# KiCad board SimulTypeUltraFullMag.kicad_pcb (continued)
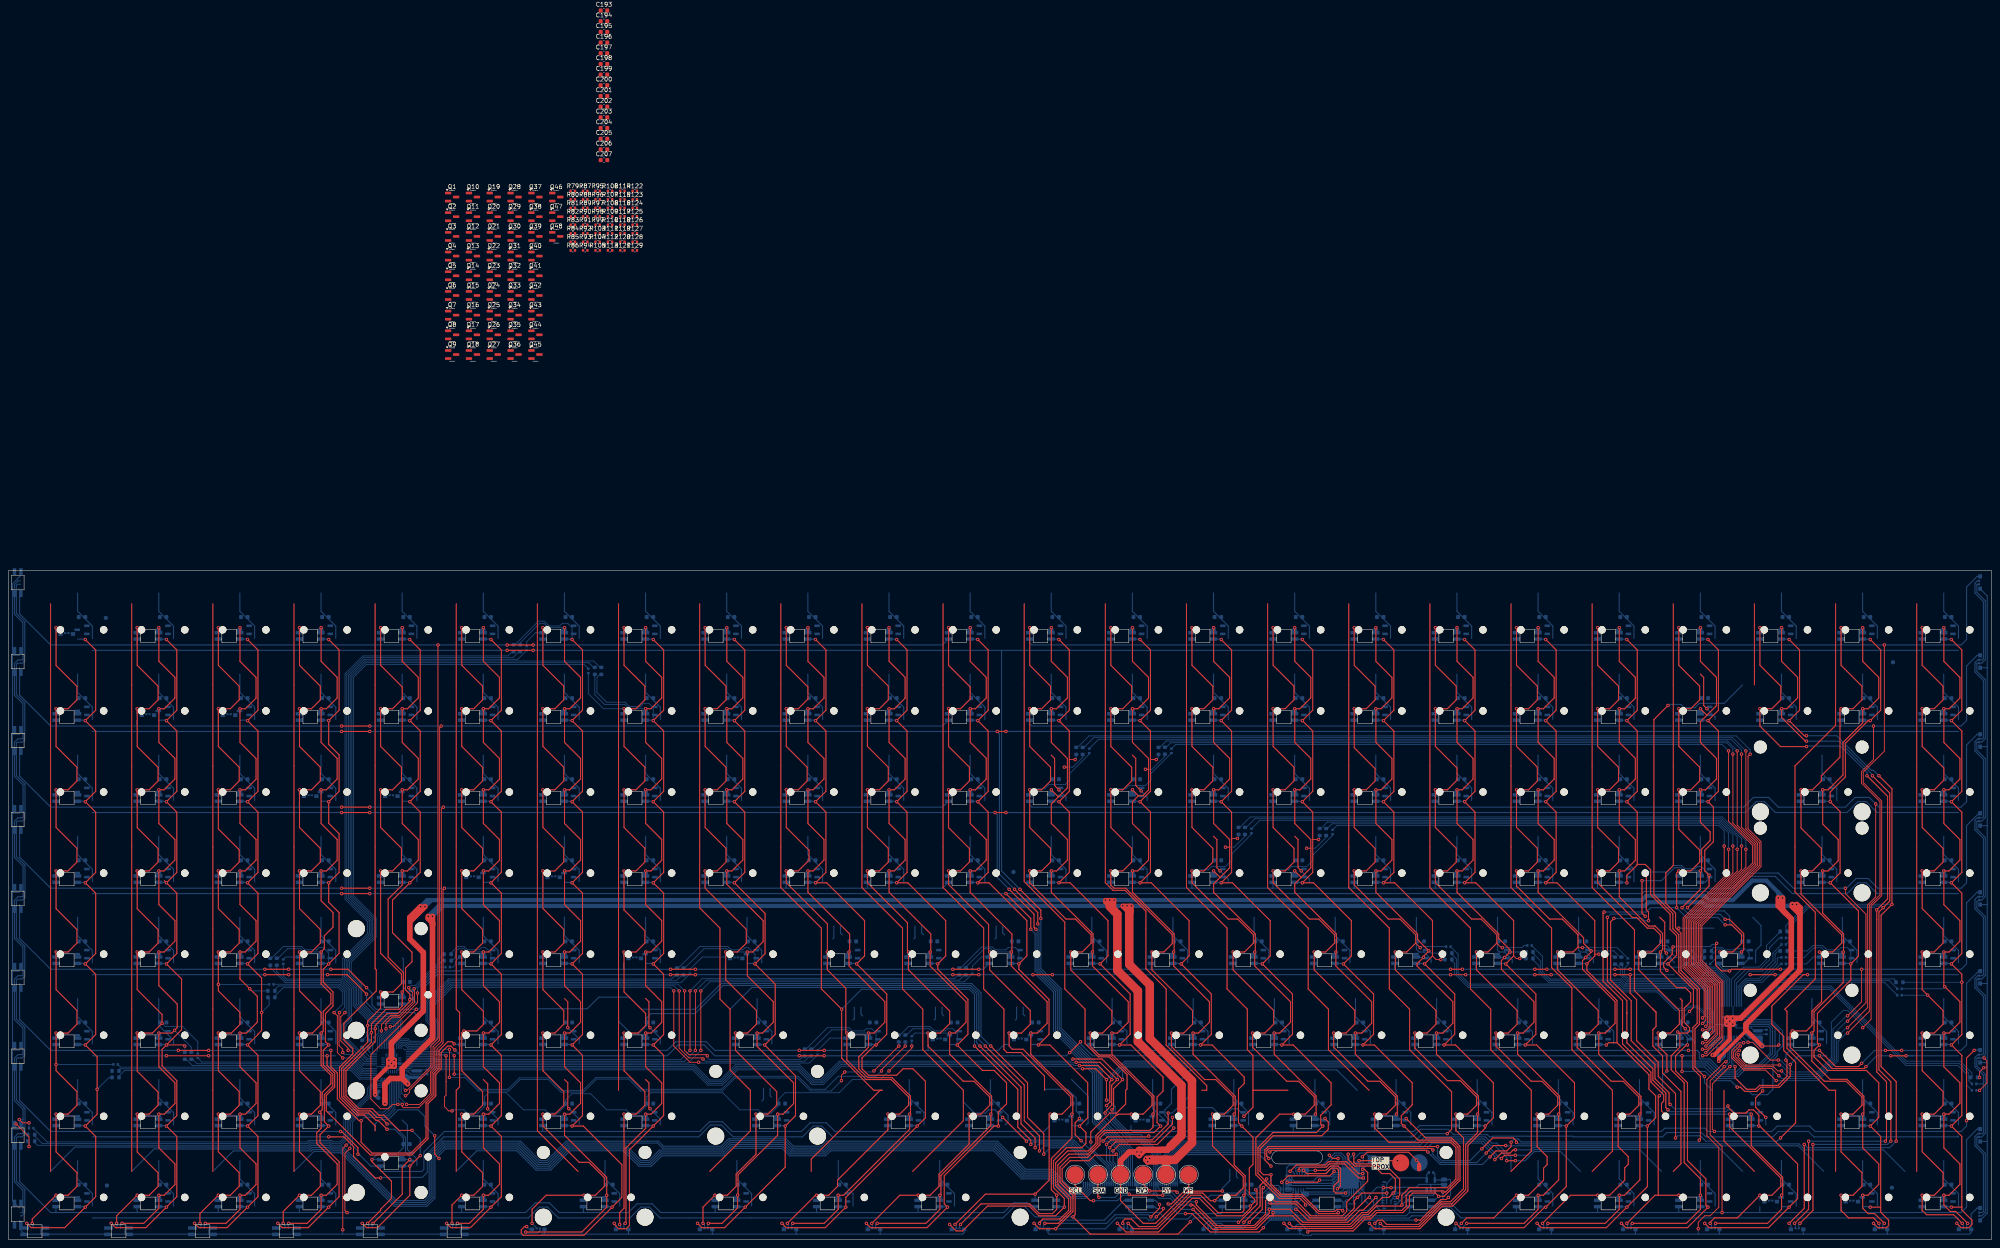
[diagram p0: board, top side]
## Routing (per net, layer and track width the routed paths; a pad name or vN(x,y) marks a point on that pad's centre or on a via; arc(x,y) is an arc through that point) (continued)
/B20c: length 226.3
  Top w0.2: 368.48,68.69 368.61,68.56 v1(369.56,68.56)
  Top w0.25: v1(360.16,3.79) 366.76,10.39 v1(373.11,10.39) 375.93,10.39 379.46,13.93 379.46,16.83 380.3,17.66 380.3,19.46 377.94,21.82 v1(377.94,29.44) 380.69,29.44 382.77,31.53 382.77,33.5 379.09,37.18 376.3,37.18 368.29,45.19 v1(368.29,48.49) 371.16,48.49 373.25,50.58 373.25,53.8 363.72,63.33 v1(363.72,67.54) 367.34,67.54 368.48,68.69 368.48,71.6 364.8,75.28 361.83,75.28 354.06,83.04 v1(354.06,86.59) 356.88,86.59 358.96,88.68 358.96,91.9 354.06,96.8 v1(354.06,105.64) 356.88,105.64 358.96,107.73 358.96,110.95 354.06,115.85 v1(354.06,124.69) 356.88,124.69 358.96,126.78 358.96,130 354.06,134.9 v1(354.06,143.75)
  Bottom w0.2: v1(369.56,68.56) 377.69,68.56 380.23,66.02
  Bottom w0.25: v1(354.06,105.64) 354.03,105.62 354.03,104.46 ; v1(368.29,48.49) 368.32,48.46 368.32,47.31 ; 377.85,28.26 377.85,29.35 v1(377.94,29.44) ; 354.03,85.41 354.03,86.57 v1(354.06,86.59) ; 354.03,142.56 354.03,143.72 v1(354.06,143.75) ; v1(363.72,67.54) 363.56,67.39 363.56,66.36 ; 373.08,9.21 373.08,10.37 v1(373.11,10.39) ; v1(354.06,124.69) 354.03,124.67 354.03,123.51 ; v1(360.16,3.79) 360.44,3.51 360.44,2.6
/B21c: length 208.5
  Top w0.25: v1(389.37,39.6) 389.37,43.41 387.34,45.45 v1(387.34,48.49) 390.21,48.49 392.3,50.58 392.3,53.8 382.77,63.33 v1(382.77,67.54) 385.81,67.54 387.85,69.58 387.85,71.57 386.29,73.13 384.8,73.13 382.26,75.67 381.25,75.67 373.11,83.81 v1(373.11,86.59) 375.93,86.59 378.01,88.68 378.01,91.9 373.11,96.8 v1(373.11,105.64) 375.93,105.64 378.01,107.73 378.01,110.95 373.11,115.85 v1(373.11,124.69) 375.93,124.69 378.01,126.78 378.01,130 373.11,134.9 v1(373.11,143.75) ; v1(379.97,3.79) 386.58,10.39 387.34,10.39 ; v1(392.16,10.39) 387.34,10.39 ; 387.34,10.39 387.34,33.51 v1(387.59,33.76)
  Bottom w0.2: v1(382.77,67.54) 383.02,67.8 386.58,67.8 387.85,69.07 389.37,69.07 390.64,67.8 394.19,67.8
  Bottom w0.25: v1(373.11,86.59) 373.08,86.57 373.08,85.41 ; 373.08,104.46 373.08,105.62 v1(373.11,105.64) ; 380.15,2.6 380.15,3.61 v1(379.97,3.79) ; v1(389.37,39.6) 388.35,38.59 388.35,34.52 v1(387.59,33.76) ; v1(382.77,67.54) 382.61,67.39 382.61,66.36 ; 373.08,123.51 373.08,124.67 v1(373.11,124.69) ; 387.37,47.31 387.37,48.46 v1(387.34,48.49) ; 392.13,9.21 392.13,10.37 v1(392.16,10.39) ; v1(373.11,143.75) 373.08,143.72 373.08,142.56
/B22c: length 250.4
  Top w0.25: v1(399.53,3.79) 399.53,4.04 400.55,5.06 405.88,5.06 v1(411.21,10.39) 414.03,10.39 416.11,12.48 416.11,14.45 404.1,26.45 v1(404.1,29.44) ; v1(392.16,143.75) 392.16,134.9 397.06,130 397.06,126.78 394.98,124.69 v1(392.16,124.69) 392.16,115.85 397.06,110.95 397.06,107.73 394.98,105.64 v1(392.16,105.64) 392.16,96.4 397.06,91.5 397.06,88.68 394.98,86.59 v1(392.16,86.59) 391.66,86.09 v1(391.66,77.96) ; v1(403.06,73.92) 404.58,73.92 406.9,71.61 406.9,69.58 404.86,67.54 v1(401.82,67.54) ; v1(374.64,76.94) 374.38,76.69 374.38,60.69 378.96,56.11 378.96,45.95 385.6,39.31 385.6,37.02 388.61,34.02 388.61,32.49 388.1,31.98 388.1,30.21 v1(388.86,29.44)
  Bottom w0.2: 399.53,64.75 401.14,66.36 401.66,66.36
  Bottom w0.25: 392.13,142.56 392.13,143.72 v1(392.16,143.75) ; v1(401.82,67.54) 401.66,67.39 401.66,66.36 ; 392.13,123.51 392.13,124.67 v1(392.16,124.69) ; 392.13,104.46 392.13,105.62 v1(392.16,105.64) ; v1(411.21,10.39) 411.18,10.37 411.18,9.21 ; v1(388.86,29.44) v1(404.1,29.44) 404.04,29.38 404.04,28.26 ; v1(374.64,76.94) 384.54,76.94 385.56,77.96 v1(391.66,77.96) 393.94,75.67 401.31,75.67 v1(403.06,73.92) ; v1(399.53,3.79) 399.85,3.47 399.85,2.6 ; v1(392.16,86.59) 392.13,86.57 392.13,85.41
/B23c: length 218.7
  Top w0.25: v1(411.21,143.75) 411.21,134.9 416.11,130 416.11,126.78 414.03,124.69 v1(411.21,124.69) 411.21,120.63 416.04,115.8 v1(422.14,115.8) ; v1(440.68,23.09) 440.93,23.35 440.93,37.06 438.65,39.35 438.65,75.16 438.64,75.17 v1(438.64,77.46) 441.19,80 441.19,104.12 v1(436.36,108.95) ; v1(422.64,23.09) 422.64,7.09 v1(419.34,3.79)
  Bottom w0.2: v1(438.64,77.46) 438.14,77.96 422.64,77.96 419.09,74.4 419.09,71.1 417.31,69.32
  Bottom w0.25: v1(436.36,108.95) 436.36,109.71 430.15,115.92 422.25,115.92 v1(422.14,115.8) ; 411.18,123.51 411.18,124.67 v1(411.21,124.69) ; v1(419.34,3.79) 419.56,3.57 419.56,2.6 ; v1(440.68,23.09) v1(422.64,23.09) ; v1(411.21,143.75) 411.18,143.72 411.18,142.56
/B24c: length 216.8
  Top w0.25: v1(430.26,143.75) 430.26,134.9 435.16,130 435.16,126.78 433.08,124.69 v1(430.26,124.69) 430.01,124.44 430.01,113.32 425.63,108.95 425.63,107.73 423.55,105.64 v1(420.87,105.64) 420.87,96.67 425.63,91.9 425.63,88.68 423.55,86.59 v1(420.87,86.59) 420.87,81.13 430.4,71.6 430.4,69.63 428.31,67.54 v1(425.18,67.54) 425.69,67.04 425.69,55.91 423.41,53.62 423.41,50.27 422.14,49 v1(418.83,49) 418.33,48.49 418.33,45.19 426.34,37.18 431.48,37.18 435.16,33.5 435.16,31.53 433.08,29.44 v1(430.26,29.44) 430.26,20.6 435.16,15.7 435.16,12.48 433.08,10.39 v1(430.26,10.39) 430.26,6.84 432.04,5.06 437.88,5.06 v1(439.15,3.79)
  Bottom w0.2: 417.31,64.75 422.14,64.75 423.75,66.36 425.47,66.36
  Bottom w0.25: 439.26,2.6 439.26,3.68 v1(439.15,3.79) ; 430.23,123.51 430.23,124.67 v1(430.26,124.69) ; 430.23,28.26 430.23,29.42 v1(430.26,29.44) ; v1(420.87,86.59) 420.71,86.44 420.71,85.41 ; v1(420.87,105.64) 420.71,105.49 420.71,104.46 ; 425.47,66.36 425.47,67.26 v1(425.18,67.54) ; 418.33,47.31 418.33,48.5 v1(418.83,49) ; v1(430.26,143.75) 430.23,143.72 430.23,142.56 ; 430.23,9.21 430.23,10.37 v1(430.26,10.39)
/B25c: length 204.6
  Top w0.25: v1(458.71,3.79) 456.68,5.82 450.33,5.82 449.31,6.84 v1(449.31,10.39) 452.13,10.39 454.21,12.48 454.21,15.7 449.31,20.6 v1(449.31,29.44) 452.13,29.44 454.21,31.53 454.21,34.75 449.31,39.65 v1(449.31,48.49) 452.13,48.49 454.21,50.58 454.21,53.8 v1(450.6,57.41) 449.31,58.7 v1(449.31,67.54) 452.13,67.54 454.21,69.63 454.21,72.85 449.31,77.75 v1(449.31,86.59) 452.13,86.59 454.21,88.68 454.21,91.9 449.31,96.8 v1(449.31,105.64) 452.13,105.64 454.39,107.91 454.39,110.77 449.31,115.85 v1(449.31,124.69) 452.13,124.69 454.21,126.78 454.21,130 449.31,134.9 v1(449.31,143.75)
  Bottom w0.2: v1(450.6,57.41) 450.58,57.38 444.49,57.38
  Bottom w0.25: 458.97,2.6 458.97,3.54 v1(458.71,3.79) ; v1(449.31,143.75) 449.28,143.72 449.28,142.56 ; 449.28,66.36 449.28,67.52 v1(449.31,67.54) ; v1(449.31,86.59) 449.28,86.57 449.28,85.41 ; 449.28,123.51 449.28,124.67 v1(449.31,124.69) ; v1(449.31,105.64) 449.28,105.62 449.28,104.46 ; 449.28,28.26 449.28,29.42 v1(449.31,29.44) ; v1(449.31,10.39) 449.28,10.37 449.28,9.21 ; 449.28,47.31 449.28,48.47 v1(449.31,48.49)
/B26c: length 176.1
  Top w0.2: v1(463.86,42.65) 464.49,42.02 464.49,36.75 v1(462.78,35.03)
  Bottom w0.2: 462.02,35.03 v1(462.78,35.03) ; 463.55,42.9 463.61,42.9 v1(463.86,42.65)
  Bottom w0.25: LED222.3 462.23,153.94 462.15,153.87 462.15,152.05 464.13,150.07 464.13,136.23 463.3,135.39 462.7,135.39 462.23,135.39 462.15,135.32 462.15,133.5 464.13,131.52 464.13,117.68 463.3,116.84 462.7,116.84 462.23,116.84 462.15,116.77 462.15,114.95 464.13,112.97 464.13,99.13 463.3,98.29 462.7,98.29 462.23,98.29 462.15,98.22 462.15,96.4 464.13,94.42 464.13,80.58 463.3,79.74 462.7,79.74 462.53,79.74 462.15,79.37 462.15,77.85 464.13,75.87 464.13,62.03 463.3,61.2 462.7,61.2 462.23,61.2 462.15,61.12 462.15,59.28 464.13,57.3 464.13,43.48 463.3,42.65 462.7,42.65 462.23,42.65 462.15,42.57 462.15,40.76 464.13,38.78 464.13,24.93 463.3,24.1 462.7,24.1 462.23,24.1 462.15,24.02 462.15,22.21 464.13,20.23 464.13,6.38 463.3,5.55 462.7,5.55
/G1c: length 168
  Bottom w0.2: 3.86,24.82 4.07,24.62 4.81,24.62
  Bottom w0.25: 2.82,5.55 3.08,5.55 3.82,6.29 3.82,11.77 1.84,13.75 1.84,23.86 2.08,24.1 3.15,24.1 3.86,24.82 3.86,30.77 1.84,32.8 1.84,42.41 2.08,42.65 3.15,42.65 3.82,43.32 3.82,49.87 1.84,51.85 1.84,60.96 2.08,61.2 3.15,61.2 3.82,61.87 3.82,68.92 1.84,70.9 1.84,79.51 2.08,79.75 3.29,79.75 3.86,80.32 3.86,87.92 1.84,89.95 1.84,98.1 2.04,98.3 3.29,98.3 3.86,98.87 3.86,106.97 1.84,109 1.84,116.6 2.08,116.84 3.29,116.84 3.82,117.37 3.82,126.07 1.84,128.05 1.84,135.15 2.08,135.39 3.29,135.39 3.82,135.92 3.82,145.12 1.83,147.1 1.83,153.7 2.07,153.94 2.82,153.94
/G3c: length 192.9
  Top w0.25: v1(35.29,143.75) 35.29,135.83 39.06,132.06 39.06,127.2 36.56,124.69 v1(35.29,124.69) 35.29,116.78 39.06,113.01 39.06,108.19 36.52,105.64 v1(35.29,105.64) 35.29,97.73 39.06,93.96 39.06,89.14 36.52,86.59 v1(35.29,86.59) 35.29,78.68 39.06,74.91 39.06,70.09 36.52,67.54 v1(35.29,67.54) 35.29,59.63 39.61,55.31 39.61,49.76 v1(38.98,49.13) 38.34,48.49 v1(35.29,48.49) 35.29,40.58 39.06,36.81 39.06,31.95 36.56,29.44 v1(35.29,29.44) 35.29,21.53 39.06,17.76 39.06,12.9 36.56,10.39 v1(35.29,10.39) 35.29,7.35 31.74,3.79 v1(26.66,3.79)
  Bottom w0.2: v1(38.98,49.13) 42.91,45.19 42.91,43.67
  Bottom w0.25: 35.28,47.31 35.28,48.49 v1(35.29,48.49) ; 35.28,9.21 35.28,10.39 v1(35.29,10.39) ; 35.28,85.41 35.28,86.59 v1(35.29,86.59) ; 35.28,123.51 35.28,124.69 v1(35.29,124.69) ; v1(35.29,143.75) 35.28,143.74 35.28,142.56 ; v1(35.29,67.54) 35.28,67.54 35.28,66.36 ; v1(26.66,3.79) 26.25,3.39 26.25,2.6 ; 35.28,28.26 35.28,29.44 v1(35.29,29.44) ; 35.28,104.46 35.28,105.64 v1(35.29,105.64)
/G4c: length 189.1
  Top w0.25: v1(46.22,3.79) 51.04,3.79 54.34,7.09 v1(54.34,10.39) 55.61,10.39 58.11,12.9 58.11,17.76 54.34,21.53 v1(54.34,29.44) 55.61,29.44 58.11,31.95 58.11,36.81 54.34,40.58 v1(54.34,48.49) 55.87,48.49 58.41,51.03 58.41,57.13 v1(56.63,58.91) 54.34,61.19 v1(54.34,67.54) 55.57,67.54 58.11,70.09 58.11,74.91 54.34,78.68 v1(54.34,86.59) 55.57,86.59 58.11,89.14 58.11,93.96 54.34,97.73 v1(54.34,105.64) 55.61,105.64 58.11,108.15 58.11,113.01 54.34,116.78 v1(54.34,124.69) 55.61,124.69 58.11,127.2 58.11,132.06 54.34,135.83 v1(54.34,143.75)
  Bottom w0.2: v1(56.63,58.91) 57.14,58.4 61.2,58.4
  Bottom w0.25: v1(54.34,86.59) 54.33,86.59 54.33,85.41 ; v1(54.34,48.49) 54.33,48.49 54.33,47.31 ; 54.33,104.46 54.33,105.64 v1(54.34,105.64) ; v1(54.34,143.75) 54.33,143.74 54.33,142.56 ; 54.33,28.26 54.33,29.44 v1(54.34,29.44) ; v1(46.22,3.79) 45.96,3.53 45.96,2.6 ; v1(54.34,67.54) 54.33,67.54 54.33,66.36 ; v1(54.34,124.69) 54.33,124.69 54.33,123.51 ; v1(54.34,10.39) 54.33,10.39 54.33,9.21
/G5c: length 191.3
  Top w0.25: v1(65.77,3.79) 70.09,3.79 73.39,7.09 v1(73.39,10.39) 74.62,10.39 77.16,12.94 77.16,17.76 72.38,22.54 72.38,25.13 73.39,26.14 73.39,29.57 v1(73.07,29.9) 73.66,30.49 73.66,34.54 75.68,36.56 75.68,38.59 73.39,40.88 v1(73.39,48.49) 73.9,49 73.9,53.57 75.68,55.35 75.68,57.74 73.39,60.03 v1(73.39,67.54) 74.16,68.31 74.16,71.35 76.19,73.39 76.19,76.79 73.39,79.59 v1(73.39,86.59) 74.66,86.59 77.16,89.1 77.16,93.96 73.39,97.73 v1(73.39,105.64) 74.62,105.64 77.16,108.19 77.16,113.01 73.39,116.78 v1(73.39,124.69) 74.62,124.69 77.16,127.24 77.16,132.06 73.39,135.83 v1(73.39,143.75)
  Bottom w0.2: v1(73.39,67.54) 69.33,67.54 68.57,68.31 65.52,68.31 62.98,65.77
  Bottom w0.25: 73.38,142.56 73.38,143.74 v1(73.39,143.75) ; v1(73.39,86.59) 73.38,86.59 73.38,85.41 ; v1(73.39,48.49) 73.38,48.49 73.38,47.31 ; v1(73.39,105.64) 73.38,105.64 73.38,104.46 ; 65.66,2.6 65.66,3.68 v1(65.77,3.79) ; v1(73.39,124.69) 73.38,124.69 73.38,123.51 ; v1(73.39,67.54) 73.38,67.54 73.38,66.36 ; v1(73.39,10.39) 73.38,10.39 73.38,9.21 ; v1(73.07,29.9) 73.38,29.58 73.38,28.26
/G6c: length 186.3
  Top w0.25: v1(88.89,27.16) 87.36,28.68 86.47,28.68 84.95,30.21 82.15,30.21 78.73,33.63 78.73,39.86 85.2,46.34 v1(85.2,48.62) 85.2,50.65 88.63,54.08 91.68,54.08 92.44,54.84 v1(92.44,58.15) 92.71,58.41 92.71,62.73 89.14,66.3 89.14,79.99 92.44,83.29 v1(92.44,86.59) 93.67,86.59 96.21,89.14 96.21,93.96 92.44,97.73 v1(92.44,105.64) 93.67,105.64 96.21,108.19 96.21,113.01 92.44,116.78 v1(92.44,124.69) 93.67,124.69 96.21,127.24 96.21,132.06 92.44,135.83 v1(92.44,143.75) ; v1(85.59,3.79) 92.44,10.65 92.44,17 v1(94.22,18.78)
  Bottom w0.2: v1(85.2,48.62) 84.57,47.99 84.57,46.46
  Bottom w0.25: v1(92.44,105.64) 92.43,105.64 92.43,104.46 ; 92.43,123.51 92.43,124.69 v1(92.44,124.69) ; v1(92.44,58.15) 92.43,58.14 92.43,56.84 ; 92.43,142.56 92.43,143.74 v1(92.44,143.75) ; v1(92.44,86.59) 92.43,86.59 92.43,85.41 ; 92.43,18.74 92.47,18.78 v1(94.22,18.78) 94.22,19.54 93.21,20.55 93.21,23.99 90.03,27.16 v1(88.89,27.16) ; 85.37,2.6 85.37,3.57 v1(85.59,3.79)
/G7c: length 192
  Top w0.25: v1(105.4,3.79) 108.19,3.79 111.49,7.09 v1(111.49,10.39) 112.72,10.39 115.26,12.94 115.26,17.76 111.49,21.53 v1(111.49,29.44) 112.76,29.44 115.26,31.95 115.26,36.81 111.49,40.58 v1(111.49,48.49) 112.76,48.49 115.26,51 115.26,55.86 111.49,59.63 v1(111.49,67.54) 112.76,67.54 115.26,70.05 115.26,74.91 111.49,78.68 v1(111.49,86.59) 112.76,86.59 115.26,89.1 115.26,93.96 111.49,97.73 v1(111.49,105.64) 112.76,105.64 115.26,108.15 115.26,113.01 111.49,116.78 v1(111.49,124.69) 112.72,124.69 115.26,127.24 115.26,132.06 111.49,135.83 v1(111.49,143.75)
  Bottom w0.2: 103.62,65.51 104.13,65.51 104.89,66.27 104.89,67.54 105.65,68.31 106.92,68.31 107.68,67.54 v1(111.49,67.54)
  Bottom w0.25: 111.48,85.41 111.48,86.59 v1(111.49,86.59) ; 111.48,9.21 111.48,10.39 v1(111.49,10.39) ; 111.48,28.26 111.48,29.44 v1(111.49,29.44) ; 105.07,2.6 105.07,3.46 v1(105.4,3.79) ; v1(111.49,67.54) 111.48,67.54 111.48,66.36 ; v1(111.49,48.49) 111.48,48.49 111.48,47.31 ; v1(111.49,124.69) 111.48,124.69 111.48,123.51 ; v1(111.49,143.75) 111.48,143.74 111.48,142.56 ; v1(111.49,105.64) 111.48,105.64 111.48,104.46
/G8c: length 212.1
  Top w0.25: v1(121.4,1.76) 134.61,1.76 140.45,7.6 v1(140.45,10.39) 140.45,14.59 130.54,24.49 v1(130.54,29.44) 131.77,29.44 134.31,31.99 134.31,36.81 130.54,40.58 v1(130.54,48.49) 131.77,48.49 134.31,51.04 134.31,55.86 130.54,59.63 v1(130.54,67.54) 131.77,67.54 134.31,70.09 134.31,74.91 130.54,78.68 v1(130.54,86.59) 131.77,86.59 134.31,89.14 134.31,93.96 130.54,97.73 v1(130.54,105.64) 131.77,105.64 134.31,108.19 134.31,113.01 130.54,116.78 v1(130.54,124.69) 131.77,124.69 134.31,127.24 134.31,132.06 130.54,135.83 v1(130.54,143.75)
  Bottom w0.2: v1(130.54,143.75) 126.73,143.75 125.72,144.76 124.7,144.76 120.13,140.19 120.13,139.43
  Bottom w0.25: v1(121.4,1.76) 121.65,1.5 124.19,1.5 124.77,2.09 124.77,2.6 ; 130.53,66.36 130.53,67.54 v1(130.54,67.54) ; v1(130.54,29.44) 130.53,29.44 130.53,28.26 ; 130.53,123.51 130.53,124.69 v1(130.54,124.69) ; 130.53,85.41 130.53,86.59 v1(130.54,86.59) ; v1(130.54,143.75) 130.53,143.74 130.53,142.56 ; v1(130.54,105.64) 130.53,105.64 130.53,104.46 ; v1(130.54,48.49) 130.53,48.49 130.53,47.31 ; 140.06,9.21 140.06,10 v1(140.45,10.39)
/G9c: length 193.1
  Top w0.25: v1(144.77,3.79) 144.96,3.99 144.96,21.51 149.59,26.14 v1(149.59,29.44) 150.86,29.44 153.36,31.95 153.36,36.81 149.59,40.58 v1(149.59,48.49) 150.86,48.49 153.36,51 153.36,55.86 149.59,59.63 v1(149.59,67.54) 150.82,67.54 153.36,70.09 153.36,74.91 149.59,78.68 v1(149.59,86.59) 150.86,86.59 153.36,89.1 153.36,93.96 149.59,97.73 v1(149.59,105.64) 150.82,105.64 153.36,108.19 153.36,113.01 149.59,116.78 v1(149.59,124.69) 150.82,124.69 153.36,127.24 153.36,132.06 149.59,135.83 v1(149.59,143.75)
  Bottom w0.2: v1(149.59,124.69) 149.49,124.8 145.62,124.8 144.71,125.71 139.94,125.71 137.66,128 137.66,133.08
  Bottom w0.25: v1(149.59,67.54) 149.58,67.54 149.58,66.36 ; v1(149.59,48.49) 149.58,48.49 149.58,47.31 ; 149.58,28.26 149.58,29.44 v1(149.59,29.44) ; v1(144.77,3.79) 144.48,3.5 144.48,2.6 ; v1(149.59,124.69) 149.58,124.69 149.58,123.51 ; 149.58,85.41 149.58,86.59 v1(149.59,86.59) ; v1(149.59,143.75) 149.58,143.74 149.58,142.56 ; 149.58,104.46 149.58,105.64 v1(149.59,105.64)
/G10c: length 204.7
  Top w0.25: v1(168.64,143.75) 168.64,135.83 172.41,132.06 172.41,127.24 169.87,124.69 v1(168.64,124.69) 168.64,116.78 172.41,113.01 172.41,108.19 169.87,105.64 v1(168.64,105.64) 168.64,97.73 172.41,93.96 172.41,89.14 169.87,86.59 v1(168.64,86.59) 168.64,83.44 177.18,74.91 177.18,69.98 174.74,67.54 v1(173.47,67.54) 173.47,61.95 179.56,55.86 179.56,51.04 177.01,48.49 v1(175.76,48.49) 175.76,45.37 184.32,36.81 184.32,31.91 181.85,29.44 v1(180.58,29.44) 180.58,24.48 171.29,15.19 171.29,10.5 v1(171.18,10.39) 171.18,7.45 167.53,3.79 v1(164.33,3.79)
  Bottom w0.2: 158.48,63.48 163.31,68.31 168.64,68.31 169.41,67.54 v1(173.47,67.54)
  Bottom w0.25: 175.78,47.31 175.78,48.47 v1(175.76,48.49) ; v1(173.47,67.54) 173.4,67.47 173.4,66.36 ; v1(168.64,105.64) 168.63,105.64 168.63,104.46 ; v1(164.33,3.79) 164.18,3.65 164.18,2.6 ; 180.54,28.26 180.54,29.4 v1(180.58,29.44) ; v1(168.64,143.75) 168.63,143.74 168.63,142.56 ; 171.02,9.21 171.02,10.23 v1(171.18,10.39) ; 168.63,123.51 168.63,124.69 v1(168.64,124.69) ; v1(168.64,86.59) 168.63,86.59 168.63,85.41
/G11c: length 213.9
  Top w0.25: v1(187.69,143.75) 187.69,135.83 191.46,132.06 191.46,127.2 188.96,124.69 v1(187.69,124.69) 187.69,116.78 191.46,113.01 191.46,108.19 188.92,105.64 v1(187.69,105.64) 187.69,97.73 191.46,93.96 191.46,89.14 188.92,86.59 v1(187.69,86.59) 187.69,81.57 197.48,71.78 197.48,67.68 v1(197.35,67.54) 197.35,64.26 205.75,55.86 205.75,51.04 203.2,48.49 v1(201.92,48.49) 201.92,45.19 199.63,42.91 199.63,40.11 201.72,38.02 207.43,38.02 211.77,33.68 211.77,29.65 v1(211.57,29.44) 211.57,25.91 196.06,10.39 v1(194.81,10.39) 194.81,7.09 191.5,3.79 v1(184.14,3.79)
  Bottom w0.2: 188.46,44.43 193.28,49.26 197.09,49.26 197.85,48.49 v1(201.92,48.49)
  Bottom w0.25: v1(187.69,124.69) 187.68,124.69 187.68,123.51 ; 183.89,2.6 183.89,3.54 v1(184.14,3.79) ; 197.21,66.36 197.21,67.41 v1(197.35,67.54) ; v1(201.92,48.49) 201.97,48.44 201.97,47.31 ; v1(211.57,29.44) 211.5,29.37 211.5,28.26 ; v1(187.69,105.64) 187.68,105.64 187.68,104.46 ; 187.68,142.56 187.68,143.74 v1(187.69,143.75) ; 194.83,9.21 194.83,10.37 v1(194.81,10.39) ; 187.68,85.41 187.68,86.59 v1(187.69,86.59)
/G12c: length 205.9
  Top w0.25: v1(206.74,143.75) 206.74,135.83 210.51,132.06 210.51,127.2 208.01,124.69 v1(206.74,124.69) 206.74,116.78 210.51,113.01 210.51,108.19 207.97,105.64 v1(206.74,105.64) 206.74,97.73 210.51,93.96 210.51,89.14 207.97,86.59 v1(206.74,86.59) 206.74,81.57 216.53,71.78 216.53,67.68 v1(216.4,67.54) 216.4,64.26 224.8,55.86 224.8,51.04 222.25,48.49 v1(220.97,48.49) 220.97,43.54 230.82,33.68 230.82,29.65 v1(230.62,29.44) 230.62,26.76 218.92,15.05 218.92,10.63 v1(218.68,10.39) 218.68,7.09 215.38,3.79 v1(203.95,3.79)
  Bottom w0.2: v1(220.97,48.49) 217.16,48.49 216.14,49.51 212.33,49.51 210.55,47.73
  Bottom w0.25: v1(203.95,3.79) 203.59,3.43 203.59,2.6 ; v1(206.74,143.75) 206.73,143.74 206.73,142.56 ; v1(220.97,48.49) 221.02,48.44 221.02,47.31 ; v1(206.74,105.64) 206.73,105.64 206.73,104.46 ; 218.64,9.21 218.64,10.35 v1(218.68,10.39) ; v1(206.74,124.69) 206.73,124.69 206.73,123.51 ; 230.55,28.26 230.55,29.37 v1(230.62,29.44) ; 216.26,66.36 216.26,67.41 v1(216.4,67.54) ; v1(206.74,86.59) 206.73,86.59 206.73,85.41
/G13c: length 214.8
  Top w0.25: v1(223.51,3.54) 228.33,8.36 239.76,8.36 242.05,6.08 245.1,6.08 246.11,7.09 v1(246.11,10.39) 244.84,11.66 244.84,19.03 249.67,23.86 v1(249.67,29.44) 249.87,29.65 249.87,33.68 240.02,43.54 v1(240.02,48.49) 241.54,48.49 243.85,50.81 243.85,55.86 235.45,64.26 v1(235.45,67.54) 235.58,67.68 235.58,71.78 225.79,81.57 v1(225.79,86.59) 227.02,86.59 229.56,89.14 229.56,93.96 225.79,97.73 v1(225.79,105.64) 227.02,105.64 229.56,108.19 229.56,113.05 225.79,116.82 v1(225.79,124.69) 227.02,124.69 229.56,127.24 229.56,132.06 225.79,135.83 v1(225.79,143.75)
  Bottom w0.2: 224.78,63.48 224.78,63.99 229.1,68.31 230.62,68.31 231.38,67.54 v1(235.45,67.54)
  Bottom w0.25: v1(225.79,124.69) 225.78,124.69 225.78,123.51 ; 225.78,85.41 225.78,86.59 v1(225.79,86.59) ; v1(240.02,48.49) 240.07,48.44 240.07,47.31 ; v1(225.79,105.64) 225.78,105.64 225.78,104.46 ; 235.31,66.36 235.31,67.41 v1(235.45,67.54) ; 225.78,142.56 225.78,143.74 v1(225.79,143.75) ; 223.3,2.6 223.3,3.33 v1(223.51,3.54) ; 246.08,9.21 246.11,9.25 v1(246.11,10.39) ; v1(249.67,29.44) 249.6,29.37 249.6,28.26
/G14c: length 240
  Top w0.2: v1(247.89,110.98) 248.61,110.98
  Top w0.25: v1(244.84,105.64) 246.49,103.99 ; 246.49,103.99 248.61,106.11 248.61,113.01 244.84,116.78 v1(244.84,124.69) 246.07,124.69 248.61,127.24 248.61,132.06 244.84,135.83 v1(244.84,143.75) ; 246.49,103.99 244.84,102.34 244.84,97.73 248.61,93.96 248.61,89.14 246.07,86.59 v1(244.84,86.59) 244.84,81.57 254.63,71.78 254.63,67.68 v1(254.5,67.54) 254.5,64.26 262.9,55.86 262.9,51.04 260.35,48.49 v1(259.07,48.49) 259.07,43.54 268.92,33.68 268.92,29.65 v1(268.72,29.44) 268.72,26.4 267.96,25.63 257.29,25.63 255.77,24.11 255.77,22.4 253.41,20.05 248.91,20.05 246.37,17.51 246.37,12.94 249.42,9.89 249.42,6.71 246.5,3.79 v1(243.32,3.79) ; v1(268.21,5.31) 270.25,7.35 v1(270.25,8.23)
  Bottom w0.2: v1(247.89,110.98) 249.92,110.98 252.21,113.26 252.21,114.28
  Bottom w0.25: 268.65,28.26 268.65,29.37 v1(268.72,29.44) ; 244.83,104.46 244.83,105.64 v1(244.84,105.64) ; v1(244.84,143.75) 244.83,143.74 244.83,142.56 ; 268.08,9.21 269.27,9.21 v1(270.25,8.23) ; v1(244.84,86.59) 244.83,86.59 244.83,85.41 ; v1(244.84,124.69) 244.83,124.69 244.83,123.51 ; 243,2.6 243,3.47 v1(243.32,3.79) 257.8,3.79 259.83,5.82 267.7,5.82 v1(268.21,5.31) ; 254.36,66.36 254.36,67.41 v1(254.5,67.54) ; v1(259.07,48.49) 259.12,48.44 259.12,47.31
/G15c: length 216.7
  Top w0.2: v1(266.94,110.47) 267.66,110.47
  Top w0.25: v1(263.89,105.64) 265.29,104.25 ; 265.29,104.25 266.31,104.25 267.66,105.61 267.66,113.01 263.89,116.78 v1(263.89,124.69) 265.16,124.69 267.66,127.2 267.66,132.06 263.89,135.83 v1(263.89,143.75) ; 265.29,104.25 263.89,102.85 263.89,97.73 267.66,93.96 267.66,89.14 265.12,86.59 v1(263.89,86.59) 263.89,81.57 273.68,71.78 273.68,67.68 v1(273.55,67.54) 273.55,64.26 281.95,55.86 281.95,51.04 279.4,48.49 v1(278.12,48.49) 278.12,43.54 288.02,33.63 288.02,29.7 v1(287.77,29.44) 287.77,17.51 290.35,14.92 290.35,10.69 v1(290.06,10.39) 290.06,6.84 289.55,6.33 283.96,6.33 279.9,10.39 277.61,10.39 269.74,2.52 264.15,2.52 v1(262.88,3.79)
  Bottom w0.2: v1(266.94,110.47) 268.47,110.47 271.51,113.52 271.51,114.32
  Bottom w0.25: v1(263.89,86.59) 263.88,86.59 263.88,85.41 ; v1(290.06,10.39) 290.08,10.37 290.08,9.21 ; v1(262.88,3.79) 262.7,3.62 262.7,2.6 ; 273.41,66.36 273.41,67.41 v1(273.55,67.54) ; 278.17,47.31 278.17,48.44 v1(278.12,48.49) ; 263.88,104.46 263.88,105.64 v1(263.89,105.64) ; v1(287.77,29.44) 287.7,29.37 287.7,28.26 ; 263.88,123.51 263.88,124.69 v1(263.89,124.69) ; 263.88,142.56 263.88,143.74 v1(263.89,143.75)
/G16c: length 237.7
  Top w0.2: v1(285.74,92.18) 286.71,92.18
  Top w0.25: v1(294.63,12.17) 294.37,11.91 294.37,7.09 v1(291.33,4.04) ; 284.47,85.07 282.94,83.55 282.94,81.57 292.73,71.78 292.73,67.68 v1(292.6,67.54) 292.6,64.26 301,55.86 301,51.04 298.45,48.49 v1(297.17,48.49) 297.17,43.54 307.02,33.68 307.02,29.65 v1(306.82,29.44) ; 284.47,85.07 v1(282.94,86.59) ; 284.47,85.07 286.71,87.32 286.71,93.96 282.94,97.73 v1(282.94,105.64) 284.17,105.64 286.71,108.19 286.71,113.01 282.94,116.78 v1(282.94,124.69) 284.17,124.69 286.71,127.24 286.71,132.06 282.94,135.83 v1(282.94,143.75) ; v1(309.11,28.43) 309.87,27.67 309.87,25.89 308.34,24.36 296.91,24.36 293.87,21.32 293.87,15.98 294.63,15.22 v1(296.41,15.22) 296.41,13.06 298.88,10.59 303.7,10.59 307.71,6.58 311.39,6.58 311.83,7.02 312.97,7.02 v1(313.26,6.73)
  Bottom w0.2: v1(285.74,92.18) 287.77,92.18 290.31,94.72 290.31,95.48
  Bottom w0.25: v1(292.6,67.54) 292.46,67.41 292.46,66.36 ; v1(282.94,143.75) 282.93,143.74 282.93,142.56 ; v1(282.94,124.69) 282.93,124.69 282.93,123.51 ; 282.41,2.6 282.41,3.07 282.62,3.28 284.21,3.28 284.98,2.52 289.8,2.52 v1(291.33,4.04) ; 312.08,9.21 312.93,9.21 313.34,8.8 313.34,6.8 v1(313.26,6.73) ; v1(282.94,86.59) 282.93,86.59 282.93,85.41 ; v1(294.63,12.17) 296.41,13.94 v1(296.41,15.22) ; v1(297.17,48.49) 297.22,48.44 297.22,47.31 ; 282.93,104.46 282.93,105.64 v1(282.94,105.64) ; v1(306.82,29.44) 306.75,29.37 306.75,28.26 308.94,28.26 v1(309.11,28.43)
/G17c: length 232.4
  Top w0.2: v1(304.79,91.93) 305.76,91.93
  Top w0.25: v1(301.99,143.75) 301.99,135.83 305.76,132.06 305.76,127.24 303.22,124.69 v1(301.99,124.69) 301.99,116.78 305.76,113.01 305.76,108.19 303.22,105.64 v1(301.99,105.64) 301.99,97.73 305.76,93.96 305.76,87.32 303.52,85.07 ; v1(305.04,1.76) 305.3,2.01 315.71,2.01 318.5,4.81 319.77,4.81 321.3,6.33 327.39,6.33 328.92,7.85 328.92,10.14 329.68,10.9 335.01,10.9 v1(335.78,10.14) 337.05,10.14 340.8,13.89 340.8,21.88 338.82,23.86 332.73,23.86 v1(328.16,28.43) ; 303.52,85.07 301.99,83.55 301.99,81.57 311.78,71.78 311.78,67.68 v1(311.65,67.54) 311.65,64.26 320.05,55.86 320.05,50.81 317.74,48.49 v1(316.22,48.49) 316.22,43.54 326.07,33.68 326.07,29.65 v1(325.87,29.44) ; 303.52,85.07 v1(301.99,86.59)
  Bottom w0.2: 309.36,95.23 309.36,94.47 306.82,91.93 v1(304.79,91.93)
  Bottom w0.25: v1(335.78,10.14) 334.85,9.21 334.08,9.21 ; v1(301.99,124.69) 301.98,124.69 301.98,123.51 ; v1(301.99,86.59) 301.98,86.59 301.98,85.41 ; v1(325.87,29.44) 325.8,29.37 325.8,28.26 327.99,28.26 v1(328.16,28.43) ; v1(301.99,143.75) 301.98,143.74 301.98,142.56 ; 311.51,66.36 311.51,67.41 v1(311.65,67.54) ; 301.98,104.46 301.98,105.64 v1(301.99,105.64) ; 302.11,2.6 302.11,3.07 302.58,3.54 303.61,3.54 305.04,2.11 v1(305.04,1.76) ; v1(316.22,48.49) 316.27,48.44 316.27,47.31
/G18c: length 199.6
  Top w0.25: v1(322.06,3.79) 322.82,3.03 331.2,3.03 336.54,8.36 338.82,8.36 342.13,11.66 342.13,22.33 344.92,25.13 v1(344.92,29.44) 345.12,29.65 345.12,33.68 335.27,43.54 v1(335.27,48.49) 336.79,48.49 339.1,50.81 339.1,55.86 330.7,64.26 330.7,64.75 v1(332.22,66.27) 332.22,66.53 v1(333.49,67.8) 330.83,70.45 330.83,71.78 321.04,81.57 v1(321.04,86.59) 322.27,86.59 324.81,89.14 324.81,93.96 321.04,97.73 v1(321.04,105.64) 322.27,105.64 324.81,108.19 324.81,113.01 321.04,116.78 v1(321.04,124.69) 322.27,124.69 324.81,127.24 324.81,132.06 321.04,135.83 v1(321.04,143.75)